# KiCad board RP2040-Breadstick Panel.kicad_pcb (continued)
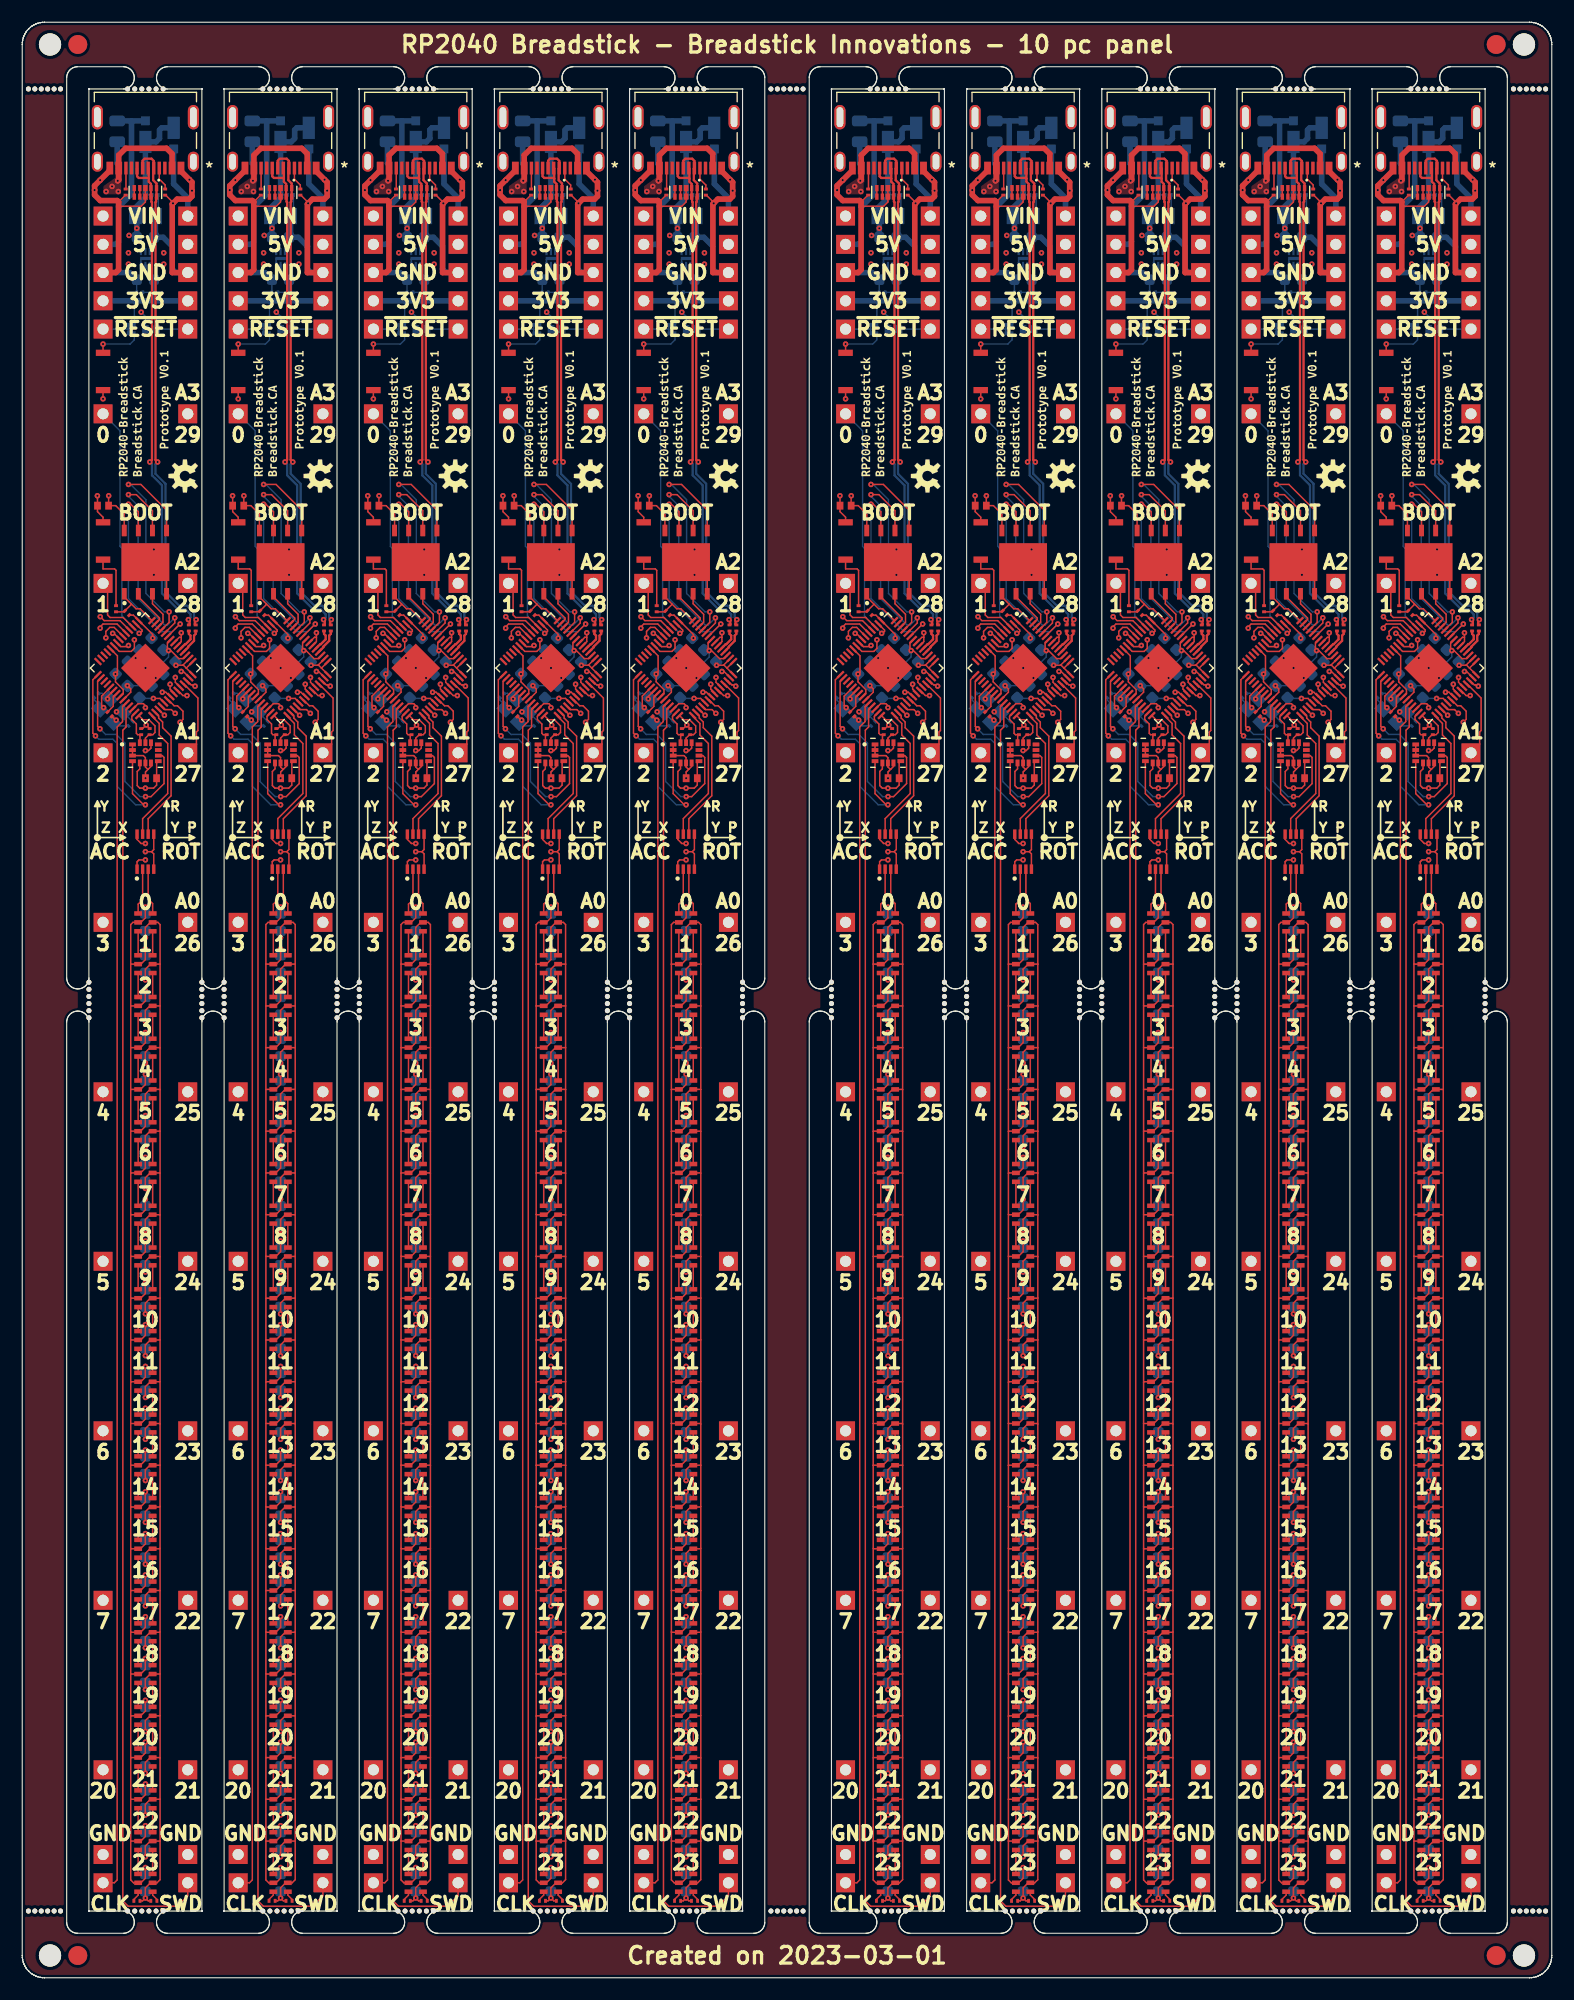
[diagram p0: board, top side]
## Routing (per net, layer and track width the routed paths; a pad name or vN(x,y) marks a point on that pad's centre or on a via; arc(x,y) is an arc through that point) (continued)
  L3_SIG.Cu w0.127: v1(85.97,121.35) 85.95,121.33 85.95,114.94 85.77,114.76 85.77,114.03 87.36,112.44 87.36,108.93 86.23,107.8 J208#9.1
Board_6-/RP2040/D4: length 44.8
  L1_SIG.Cu w0.127: U201#6.6 87.23,121.42 86.84,121.42 86.48,121.06 v1(86.48,120.48)
  L3_SIG.Cu w0.127: J209#7.1 86.23,92.33 87.36,93.46 87.36,108.2 87.82,108.66 87.82,112.5 87.98,112.66 87.98,114.39 86.48,115.89 v1(86.48,120.48)
Board_6-/RP2040/D5: length 59
  L1_SIG.Cu w0.127: v1(87.09,120.88) 87.2,120.88 U201#6.7
  L3_SIG.Cu w0.127: v1(87.09,120.88) 87.09,117.89 86.84,117.63 86.84,116.98 88.35,115.47 88.35,112.25 88.28,112.18 88.28,108.31 87.95,107.98 87.95,92.85 87.37,92.27 87.37,78.22 86.23,77.08 J210#4.1
Board_6-/RP2040/D6: length 73.9
  L1_SIG.Cu w0.127: v1(88.52,119.79) 88.41,119.69 87.83,119.69 U201#6.8
  L3_SIG.Cu w0.127: v1(88.52,119.79) 88.16,119.79 87.88,119.51 87.88,117.72 88.94,116.66 88.94,114.03 88.75,113.84 88.75,112.07 88.69,112.01 88.69,108.08 88.54,107.93 88.54,92.21 88.02,91.69 88.02,63.31 86.23,61.52 J211#5.1
Board_6-/RP2040/D7: length 91.4
  L1_SIG.Cu w0.127: v1(89.05,120.3) 89.05,119.54 88.77,119.26 87.69,119.26 U201#6.9
  L3_SIG.Cu w0.127: v1(89.05,120.3) 89.05,119.33 88.65,118.93 88.65,118.17 89.71,117.11 89.71,114.79 89.37,114.45 89.37,113.42 89.14,113.19 89.14,107.8 89.02,107.68 89.02,91.44 88.78,91.2 88.78,62.09 87.56,60.87 87.56,44.1 86.23,42.77 J212#8.1
Board_6-/RP2040/D20: length 98.8
  L1_SIG.Cu w0.127: v1(91.75,113.52) 91.73,113.52 U201#6.31
  L3_SIG.Cu w0.127: v1(91.75,113.52) 90.23,113.52 89.55,112.84 89.55,61.15 88.81,60.41 88.81,32.49 86.23,29.91 J204#3.1
Board_6-/RP2040/D21: length 99.2
  L1_SIG.Cu w0.127: U201#6.32 91.79,114.03 92.38,114.03 92.71,113.69 v1(92.72,113.69)
  L3_SIG.Cu w0.127: v1(92.72,113.69) 92.52,113.49 92.52,113.17 92.35,113 91.55,113 90.55,112 90.55,61.15 91.3,60.4 91.3,32.39 93.85,29.84 J203#4.1
Board_6-/RP2040/D22: length 84.5
  L1_SIG.Cu w0.127: v1(93.16,112.89) 93.42,113.15 93.42,113.88 92.93,114.37 92.63,114.37 92.09,114.91 U201#6.34
  L3_SIG.Cu w0.127: v1(93.16,112.89) 92.88,112.61 91.81,112.61 91.02,111.82 91.02,107.82 91.1,107.74 91.1,91.48 91.33,91.25 91.33,62.28 92.55,61.06 92.55,44.18 93.79,42.94 93.79,34 J213#3.1
Board_6-/RP2040/D23: length 71.1
  L1_SIG.Cu w0.127: U201#6.35 92.27,115.19 91.87,115.59 v1(91.56,115.59)
  L3_SIG.Cu w0.127: v1(91.56,115.59) 91.88,115.59 93.68,113.79 93.68,112.48 93.44,112.24 92.02,112.24 91.48,111.7 91.48,108.08 91.62,107.94 91.62,92.01 92.07,91.56 92.07,63.31 93.85,61.53 J214#4.1
Board_6-/RP2040/D24: length 56.2
  L1_SIG.Cu w0.127: U201#6.36 92.61,115.52 92.26,115.87 v1(92.26,116.31)
  L3_SIG.Cu w0.127: v1(92.26,116.31) 92.26,115.87 94.05,114.08 94.05,112.19 93.77,111.92 92.22,111.92 91.9,111.6 91.9,108.31 92.16,108.05 92.16,92.71 92.72,92.15 92.72,78.12 93.85,76.99 J215#10.1
Board_6-/RP2040/D25: length 39.4
  L1_SIG.Cu w0.127: v1(93.78,115.29) 93.41,115.29 92.94,115.76 U201#6.37
  L3_SIG.Cu w0.127: v1(93.78,115.29) 94.4,114.67 94.4,111.95 94.08,111.63 92.5,111.63 92.31,111.44 92.31,108.69 92.73,108.27 92.73,93.35 93.85,92.23 J202#3.1
Board_6-/RP2040/MCU_QSPI_CSN: length 5.4
  L1_SIG.Cu w0.127: 88.76,123.54 89.2,123.09 89.56,123.09 U201#6.56 ; 88.76,123.54 88.76,123.47 R205#6.2 88.11,122.82 R204.2 ; 88.76,123.54 88.14,124.16 U203.1
Board_6-/RP2040/MCU_QSPI_SCLK: length 20.6
  L1_SIG.Cu w0.127: v1(92.68,122.28) 92.68,121.82 U201#6.52 ; U203.6 90.67,131.91 89.23,133.36 v1(88.52,133.36)
  L8_SIG.Cu w0.127: v1(92.68,122.28) 92.02,121.62 91.77,121.62 89.38,124.01 89.38,132.34 88.52,133.2 v1(88.52,133.36)
Board_6-/RP2040/MCU_QSPI_SD0: length 21.5
  L1_SIG.Cu w0.127: U203.5 91.95,131.96 89.63,134.27 v1(88.52,134.27) ; v1(92.17,122.81) 92.17,121.87 U201#6.53
  L8_SIG.Cu w0.127: v1(88.52,134.27) 88.72,134.27 90.09,132.9 90.09,124.47 91.74,122.81 v1(92.17,122.81)
Board_6-/RP2040/MCU_QSPI_SD1: length 3.6
  L1_SIG.Cu w0.127: U201#6.55 91.31,122.14 91.31,122.26 89.41,124.16 U203.2
Board_6-/RP2040/MCU_QSPI_SD2: length 3.5
  L1_SIG.Cu w0.127: U203.3 90.67,123.55 91.62,122.6 91.62,121.89 U201#6.54
Board_6-/RP2040/MCU_QSPI_SD3: length 19.1
  L1_SIG.Cu w0.127: v1(88.52,132.49) 88.72,132.49 89.41,131.81 U203.7 ; v1(93.16,121.72) 93.15,121.72 U201#6.51
  L8_SIG.Cu w0.127: v1(93.16,121.72) 92.48,121.04 91.49,121.04 88.52,124.01 v1(88.52,132.49)
Board_6-/RP2040/MCU_USB_D+: length 2.1
  L1_SIG.Cu w0.2: U201#6.47 93.6,119.91 93.66,119.91
  L1_SIG.Cu w0.203: 93.66,119.91 94.1,120.35 94.1,120.68 93.95,120.83 R203#7.1
Board_6-/RP2040/MCU_USB_D-: length 2.3
  L1_SIG.Cu w0.2: U201#6.46 93.89,119.63 93.89,119.68
  L1_SIG.Cu w0.203: 93.89,119.68 94.42,120.21 94.42,120.68 94.56,120.83 R202#2.1
Board_6-/RP2040/USB_D+: length 45.2
  L1_SIG.Cu w0.203: 90.34,161.77 90.28,161.83 89.44,161.83 89.29,161.98 J221#2.B6 ; 90.34,161.77 90.34,162.67 J221#2.A6 ; 90.34,161.77 90.34,161.49 90.54,161.29 U202#4.2 U202#4.9 90.58,160.11 90.58,159.7 90.63,159.64 90.63,136.48 v1(90.44,136.29) ; R203#7.2 94.02,121.71 94.02,122 v1(93.91,122.12)
  L8_SIG.Cu w0.203: v1(93.91,122.12) 94.1,122.31 94.1,122.6 93.64,123.05 92.95,123.05 91.53,124.47 91.53,134.19 90.63,135.09 90.63,136.1 v1(90.44,136.29)
Board_6-/RP2040/USB_D-: length 45.9
  L1_SIG.Cu w0.203: v1(94.61,122.12) 94.49,122 94.49,121.71 R202#2.2 ; J221#2.A7 89.79,163.38 89.97,163.56 90.59,163.56 90.79,163.36 J221#2.B7 90.74,162.67 90.74,161.63 91.04,161.33 U202#4.1 U202#4.10 91,160.11 91,159.7 90.95,159.64 90.95,136.48 v1(91.14,136.29)
  L8_SIG.Cu w0.203: v1(94.61,122.12) 94.42,122.31 94.42,122.73 93.78,123.37 93.09,123.37 91.85,124.61 91.85,134.33 90.95,135.23 90.95,136.1 v1(91.14,136.29)
Board_6-/RP2040/~{RESET}: length 49.9
  L1_SIG.Cu w0.127: U201#6.26 89.39,114.56 89.86,114.56 90.04,114.38 v1(90.04,114.2)
  L3_SIG.Cu w0.127: 89.41,148.24 89.41,121.77 90.09,121.09 90.09,118.52 90.67,117.94 90.67,117.49 90.27,117.09 90.27,114.43 v1(90.04,114.2)
  L3_SIG.Cu w0.5: J201#8.1 J222#9.1
  L8_SIG.Cu w0.127: C207#10.1 J201#8.1 ; 88.5,148.22 88.47,148.24 J222#9.1 ; 88.5,148.22 88.5,147.86 ; 88.5,148.22 88.5,148.62
Board_6-GND: length 241.1
  L1_SIG.Cu w0.127: 90.6,101.25 90.79,101.44 IC301.5 ; 90.6,101.25 v1(90.04,101.25) ; 90.6,101.25 90.79,101.06 IC301.4 ; U202#4.3 U202#4.8 90.04,159.67 89.66,159.29 87.63,159.29 ; 91.36,12.3 91.35,12.29 LED323.2 90.49,12.29 90.04,11.84 v1(90.04,10.88) ; 91.36,12.3 91.36,8.82 91.08,8.54 LED324#7.2 90.49,8.54 90.04,8.08 v1(90.04,7.17) ; 91.36,12.3 91.36,16.06 ; v1(90.04,7.17) 89.79,6.91 89.55,6.91 ; v1(90.04,7.17) 90.29,6.91 R305.2 ; 91.36,38.61 91.36,34.8 ; 91.36,38.61 91.32,38.57 LED316#9.2 90.46,38.57 90.04,38.16 v1(90.04,37.19) ; 91.36,38.61 91.36,42.37 ; 91.36,34.8 91.36,31.1 ; 91.36,34.8 91.35,34.82 LED317#8.2 90.46,34.82 90.04,34.4 v1(90.04,33.43) ; 90.29,108.67 90.24,108.67 90.04,108.87 U401#5.6 90.04,109.71 89.86,109.89 U401#5.3 U401#5.2 U401#5.1 ; 90.29,108.67 90.05,108.42 v1(90.05,107.86) C401#10.2 ; 90.29,108.67 90.54,108.91 U401#5.7 ; 91.36,49.79 91.36,46.08 ; 91.36,49.79 91.36,53.6 ; 91.36,49.79 91.31,49.84 LED313#4.2 90.49,49.84 90.04,49.38 v1(90.04,48.42) ; 91.36,46.08 LED314#2.2 90.45,46.08 90.04,45.67 v1(90.04,44.71) ; 91.36,46.08 91.36,42.37 ; v1(92.52,159.55) 92.52,159.63 91.86,160.28 R207.2 ; 91.36,27.34 91.36,23.58 ; 91.36,27.34 91.36,31.1 ; 91.36,27.34 91.33,27.31 LED319#3.2 90.47,27.31 90.04,26.88 v1(90.04,25.91) ; 91.36,23.58 91.34,23.55 LED320#9.2 90.47,23.55 90.04,23.12 v1(90.04,22.15) ; 91.36,23.58 91.36,19.77 ; U203.4 91.95,127.29 v1(90.8,128.43) ; 91.36,16.06 91.35,16.04 LED322#10.2 90.48,16.04 90.04,15.6 v1(90.04,14.64) ; 91.36,16.06 91.36,19.77 ; v1(90.8,126.14) 90.8,126.52 U203.9 ; v1(90.04,89.72) 90.04,90.68 90.5,91.14 LED302.2 91.36,91.14 ; v1(90.04,78.49) 90.04,79.46 90.46,79.88 LED305#8.2 91.35,79.88 91.36,79.86 ; v1(90.04,59.7) 90.04,60.66 90.48,61.1 LED310#4.2 91.34,61.1 91.36,61.12 ; 91.36,53.6 91.35,53.59 LED312#8.2 90.49,53.59 90.04,53.14 v1(90.04,52.18) ; 91.36,53.6 91.36,57.36 ; 91.36,87.38 91.36,83.62 ; 91.36,87.38 91.36,91.14 ; 91.36,87.38 91.36,87.39 LED303#4.2 90.45,87.39 90.04,86.98 v1(90.04,86.01) ; 91.36,83.62 91.35,83.63 LED304#5.2 90.45,83.63 90.04,83.22 v1(90.04,82.25) ; 91.36,83.62 91.36,79.86 ; 91.36,91.14 91.36,94.7 91.16,94.9 LED301#8.2 90.49,94.9 90.04,94.44 v1(90.04,93.53) ; 91.36,76.1 91.34,76.12 LED306#2.2 90.46,76.12 90.04,75.7 v1(90.04,74.73) ; 91.36,76.1 91.36,79.86 ; 91.36,76.1 91.36,72.34 ; 91.36,64.83 91.36,61.12 ; 91.36,64.83 91.33,64.86 LED309#2.2 90.48,64.86 90.04,64.42 v1(90.04,63.45) ; 91.36,64.83 91.36,68.59 ; 91.36,61.12 91.36,57.36 ; 91.36,68.59 91.33,68.61 LED308#8.2 90.47,68.61 90.04,68.18 v1(90.04,67.21) ; 91.36,68.59 91.36,72.34 ; 91.36,19.77 91.33,19.8 LED321#9.2 90.48,19.8 90.04,19.36 v1(90.04,18.4) ; 91.36,31.1 91.33,31.06 LED318#3.2 90.47,31.06 90.04,30.64 v1(90.04,29.67) ; 91.36,42.37 91.32,42.33 LED315#2.2 90.45,42.33 90.04,41.92 v1(90.04,40.95) ; v1(86.28,114.2) 86.1,114.38 86.1,115.24 U201#6.19 ; v1(90.04,70.97) 90.04,71.94 90.47,72.37 LED307.2 91.34,72.37 91.36,72.34 ; 91.36,57.36 91.35,57.35 LED311#9.2 90.49,57.35 90.04,56.9 v1(90.04,55.94) ; R206.2 88.24,160.28 87.64,159.68 87.61,159.68 ; v1(85.72,133.25) 85.73,133.25 C216#3.2 85.73,131.82 86.23,131.32 SW201#2.1 ; SW202.1 v1(86.23,141.97)
  L1_SIG.Cu w0.5: J221#2.A1/B12 93.24,162.44 v1(94,161.68) 94.23,161.45 v1(94.23,160.69) 94.23,160.18 93.98,159.92 92.9,159.92 v1(92.52,159.55) 92.45,159.48 92.45,153.32 J506.1 ; J505.1 87.37,153.32 87.63,153.57 87.63,159.67 87.5,159.8 85.98,159.8 85.47,160.31 v1(85.47,160.74) 85.47,161.13 v1(85.97,161.63) 86.84,162.5 J221#2.B1/A12
  L3_SIG.Cu w0.5: J505.1 J506.1
  L8_SIG.Cu w0.127: v1(90.04,82.25) C306#6.2 ; v1(90.04,22.15) C322#8.2 ; v1(90.04,40.95) C317#10.2 ; U501#4.7 89.71,154.59 89.64,154.52 U501#4.3 ; v1(89.66,149.76) 90.05,149.38 C207#10.2 ; C309#8.2 90.04,71.58 v1(90.04,70.97) ; v1(90.04,86.01) C305.2 ; v1(90.04,18.4) C323#7.2 ; C201#3.2 85.45,114.88 85.93,114.41 ; v1(90.04,93.53) 90.04,94.13 ; C501#5.2 91.2,158.66 R501#7.1 ; v1(90.04,10.88) C325#2.2 ; v1(90.04,67.21) C310#10.2 ; v1(90.04,89.72) C304#4.2 ; v1(90.04,52.18) C314#2.2 ; v1(90.04,78.49) C307#6.2 ; C203#8.2 88.88,112.95 88.05,113.78 Y201#6.2 ; R502#10.1 89.26,152.68 C503#10.2 ; v1(90.04,74.73) 90.04,75.34 C308.2 ; v1(90.04,14.64) C324.2 ; v1(90.04,63.45) C311#4.2 ; v1(90.04,44.71) C316#7.2 ; v1(90.04,29.67) C320#10.2 ; v1(90.04,55.94) C313#4.2 ; v1(90.04,33.43) C319#2.2 ; v1(90.04,37.19) C318#4.2 ; v1(90.04,7.17) C326#10.2 ; v1(90.04,59.7) C312.2 ; v1(90.04,48.42) C315#6.2 ; v1(90.04,25.91) C321#2.2
  L8_SIG.Cu w0.203: C503#10.2 89.64,153.06 U501#4.3
  L8_SIG.Cu w0.5: C503#10.2 89.25,152.69 88.62,153.32 J505.1 ; C501#5.2 90.94,156.62 C502.2 91.64,156.5 92.45,155.68 92.45,153.62 92.76,153.32 J506.1
  vias: v1(87.44,113.83) v1(89.16,118.66) v1(90.05,117.77) v1(90.97,116.87)
Board_6-IMU_INT1: length 19.6
  L1_SIG.Cu w0.127: v1(90.04,105.47) 89.88,105.47 88.88,106.47 U401#5.4 ; v1(85.55,111.66) 85.31,111.9 85.31,116.71 U201#6.15
  L8_SIG.Cu w0.127: v1(85.55,111.66) 85.85,111.36 87.12,111.36 87.52,110.96 87.52,107.11 89.16,105.47 v1(90.04,105.47)
Board_6-IMU_INT2: length 18.5
  L1_SIG.Cu w0.127: U401#5.9 91.55,109.89 91.72,109.72 91.72,107.37 90.55,106.2 v1(90.05,106.2) ; U201#6.16 85.74,116.57 85.74,112.51 v1(85.95,112.3)
  L8_SIG.Cu w0.127: v1(90.05,106.2) 89.56,106.2 88.2,107.56 88.2,111.01 87.42,111.79 86.46,111.79 v1(85.95,112.3)
Board_6-IMU_SCL: length 3.9
  L1_SIG.Cu w0.127: U201#6.28 89.82,113.12 90.35,113.12 90.9,112.56 90.9,111.97 90.7,111.77 R210#2.1 90.35,111.77 90.04,111.46 U401#5.13
Board_6-IMU_SDA: length 3.4
  L1_SIG.Cu w0.127: U201#6.27 88.82,113.43 88.82,113.14 89.23,112.73 89.23,111.89 89.35,111.77 R209#4.1 89.55,111.66 89.55,111.06 U401#5.14
Board_6-LED_CLK: length 12.2
  L1_SIG.Cu w0.127: IC301.7 89.79,104.23 92.05,106.48 92.05,110.98 91.28,111.74 91.28,112.78 90.63,113.44 U201#6.29
Board_6-LED_DATA: length 12.4
  L1_SIG.Cu w0.127: IC301.6 90.29,104.22 92.35,106.28 92.35,111.64 91.59,112.4 91.59,112.91 91.23,113.26 91.23,113.45 U201#6.30
Board_6-Net-(C201-Pad1): length 2
  L1_SIG.Cu w0.127: U201#6.20 86.64,115.2 v1(86.64,114.99)
  L8_SIG.Cu w0.127: v1(86.64,114.99) 86.14,115.49 C201#3.1
Board_6-Net-(C203-Pad1): length 2.1
  L1_SIG.Cu w0.127: R201#6.1 87.35,113.08 v1(87.41,113.08)
  L8_SIG.Cu w0.127: C203#8.1 87.41,112.56 Y201#6.3
Board_6-Net-(J221-PadA5): length 2.1
  L1_SIG.Cu w0.127: R207.1 91.82,161.19 91.29,161.72 J221#2.A5
Board_6-Net-(J221-PadB5): length 1.9
  L1_SIG.Cu w0.127: J221#2.B5 88.29,160.86 R206.1
Board_6-Net-(LED301-Pad1): length 2.2
  L1_SIG.Cu w0.127: LED301#8.1 LED302.3
Board_6-Net-(LED301-Pad6): length 2.2
  L1_SIG.Cu w0.127: LED301#8.6 LED302.4
Board_6-Net-(LED302-Pad1): length 2.2
  L1_SIG.Cu w0.127: LED302.1 LED303#4.3
Board_6-Net-(LED302-Pad6): length 2.2
  L1_SIG.Cu w0.127: LED302.6 LED303#4.4
Board_6-Net-(LED303-Pad1): length 2.2
  L1_SIG.Cu w0.127: LED303#4.1 LED304#5.3
Board_6-Net-(LED303-Pad6): length 2.2
  L1_SIG.Cu w0.127: LED303#4.6 LED304#5.4
Board_6-Net-(LED304-Pad1): length 2.2
  L1_SIG.Cu w0.127: LED304#5.1 LED305#8.3
Board_6-Net-(LED304-Pad6): length 2.2
  L1_SIG.Cu w0.127: LED304#5.6 LED305#8.4
Board_6-Net-(LED305-Pad1): length 2.2
  L1_SIG.Cu w0.127: LED305#8.1 LED306#2.3
Board_6-Net-(LED305-Pad6): length 2.2
  L1_SIG.Cu w0.127: LED305#8.6 LED306#2.4
Board_6-Net-(LED306-Pad1): length 2.2
  L1_SIG.Cu w0.127: LED306#2.1 LED307.3
Board_6-Net-(LED306-Pad6): length 2.2
  L1_SIG.Cu w0.127: LED306#2.6 LED307.4
Board_6-Net-(LED307-Pad1): length 2.2
  L1_SIG.Cu w0.127: LED307.1 LED308#8.3
Board_6-Net-(LED307-Pad6): length 2.2
  L1_SIG.Cu w0.127: LED307.6 LED308#8.4
Board_6-Net-(LED308-Pad1): length 2.2
  L1_SIG.Cu w0.127: LED308#8.1 LED309#2.3
Board_6-Net-(LED308-Pad6): length 2.2
  L1_SIG.Cu w0.127: LED308#8.6 LED309#2.4
Board_6-Net-(LED309-Pad1): length 2.2
  L1_SIG.Cu w0.127: LED309#2.1 LED310#4.3
Board_6-Net-(LED309-Pad6): length 2.2
  L1_SIG.Cu w0.127: LED309#2.6 LED310#4.4
Board_6-Net-(LED310-Pad1): length 2.2
  L1_SIG.Cu w0.127: LED310#4.1 LED311#9.3
Board_6-Net-(LED310-Pad6): length 2.2
  L1_SIG.Cu w0.127: LED310#4.6 LED311#9.4
Board_6-Net-(LED311-Pad1): length 2.2
  L1_SIG.Cu w0.127: LED311#9.1 LED312#8.3
Board_6-Net-(LED311-Pad6): length 2.2
  L1_SIG.Cu w0.127: LED311#9.6 LED312#8.4
Board_6-Net-(LED312-Pad1): length 2.2
  L1_SIG.Cu w0.127: LED312#8.1 LED313#4.3
Board_6-Net-(LED312-Pad6): length 2.2
  L1_SIG.Cu w0.127: LED312#8.6 LED313#4.4
Board_6-Net-(LED313-Pad1): length 2.2
  L1_SIG.Cu w0.127: LED313#4.1 LED314#2.3
Board_6-Net-(LED313-Pad6): length 2.2
  L1_SIG.Cu w0.127: LED313#4.6 LED314#2.4
Board_6-Net-(LED314-Pad1): length 2.2
  L1_SIG.Cu w0.127: LED314#2.1 LED315#2.3
Board_6-Net-(LED314-Pad6): length 2.2
  L1_SIG.Cu w0.127: LED314#2.6 LED315#2.4
Board_6-Net-(LED315-Pad1): length 2.2
  L1_SIG.Cu w0.127: LED315#2.1 LED316#9.3
Board_6-Net-(LED315-Pad6): length 2.2
  L1_SIG.Cu w0.127: LED315#2.6 LED316#9.4
Board_6-Net-(LED316-Pad1): length 2.2
  L1_SIG.Cu w0.127: LED316#9.1 LED317#8.3
Board_6-Net-(LED316-Pad6): length 2.2
  L1_SIG.Cu w0.127: LED316#9.6 LED317#8.4
Board_6-Net-(LED317-Pad1): length 2.2
  L1_SIG.Cu w0.127: LED317#8.1 LED318#3.3
Board_6-Net-(LED317-Pad6): length 2.2
  L1_SIG.Cu w0.127: LED317#8.6 LED318#3.4
Board_6-Net-(LED318-Pad1): length 2.2
  L1_SIG.Cu w0.127: LED318#3.1 LED319#3.3
Board_6-Net-(LED318-Pad6): length 2.2
  L1_SIG.Cu w0.127: LED318#3.6 LED319#3.4
Board_6-Net-(LED319-Pad1): length 2.2
  L1_SIG.Cu w0.127: LED319#3.1 LED320#9.3
Board_6-Net-(LED319-Pad6): length 2.2
  L1_SIG.Cu w0.127: LED319#3.6 LED320#9.4
Board_6-Net-(LED320-Pad1): length 2.2
  L1_SIG.Cu w0.127: LED320#9.1 LED321#9.3
Board_6-Net-(LED320-Pad6): length 2.2
  L1_SIG.Cu w0.127: LED320#9.6 LED321#9.4
Board_6-Net-(LED321-Pad1): length 2.2
  L1_SIG.Cu w0.127: LED321#9.1 LED322#10.3
Board_6-Net-(LED321-Pad6): length 2.2
  L1_SIG.Cu w0.127: LED321#9.6 LED322#10.4
Board_6-Net-(LED322-Pad1): length 2.2
  L1_SIG.Cu w0.127: LED322#10.1 LED323.3
Board_6-Net-(LED322-Pad6): length 2.2
  L1_SIG.Cu w0.127: LED322#10.6 LED323.4
Board_6-Net-(LED323-Pad1): length 2.2
  L1_SIG.Cu w0.127: LED323.1 LED324#7.3
Board_6-Net-(LED323-Pad6): length 2.2
  L1_SIG.Cu w0.127: LED323.6 LED324#7.4
Board_6-Net-(LED324-Pad1): length 1
  L1_SIG.Cu w0.127: 91.08,6.91 91.08,7.05 90.69,7.43 LED324#7.1
Board_6-Net-(LED324-Pad6): length 1
  L1_SIG.Cu w0.127: LED324#7.6 89.39,7.43 89,7.05 R304#7.1
Board_6-Net-(R201-Pad2): length 2
  L1_SIG.Cu w0.127: U201#6.21 87.14,115.15 87.14,114.32 R201#6.2
Board_6-Net-(R204-Pad1): length 5.2
  L1_SIG.Cu w0.127: R204.1 87.4,126.55 87.27,126.68 86.23,126.68 SW201#2.2
Board_6-Net-(R211-Pad1): length 4.3
  L1_SIG.Cu w0.127: SW202.2 v1(86.23,146.89)
  L8_SIG.Cu w0.127: R211#8.1 89.05,147.27 88.67,146.89 v1(86.23,146.89)
Board_6-Net-(U202-Pad4): length 0.8
  L1_SIG.Cu w0.127: U202#4.4 U202#4.7
Board_6-Net-(U202-Pad5): length 0.8
  L1_SIG.Cu w0.127: U202#4.5 U202#4.6
Board_6-SWCLK: length 107.5
  L1_SIG.Cu w0.127: U201#6.24 87.98,114.29 87.98,112.95 87.5,112.46 87.5,8.79 87.25,8.54 J223#9.1
Board_6-SWD: length 115.3
  L1_SIG.Cu w0.127: J224#7.1 93.85,7.37 92.91,6.43 88.49,6.43 88.01,6.91 88.01,112.17 88.3,112.46 88.3,114.04 U201#6.25
Board_6-VBUS: length 12.5
  L1_SIG.Cu w0.5: J221#2.A4/B9 92.44,164 91.95,164.5 88.26,164.5 87.64,163.87 J221#2.B4/A9 87.64,161.66 v1(87.55,161.58)
  L8_SIG.Cu w0.5: v1(87.55,161.58) 87.63,161.65 87.63,163 87.5,163.12 F501#4.1
  vias: v1(86.51,160.61) v1(87.04,161.07) v1(87.6,160.61)
Board_6-VHI: length 174.3
  L1_SIG.Cu w0.127: 88.72,23.53 88.75,23.55 LED320#9.5 89.61,23.55 90.04,23.98 v1(90.04,24.95) ; 88.72,23.53 88.72,27.34 ; 88.72,23.53 88.72,19.77 ; v1(90.04,39.93) 90.04,39.02 89.59,38.57 LED316#9.5 88.76,38.57 88.72,38.61 ; v1(90.04,84.99) 90.04,84.08 89.59,83.63 LED304#5.5 88.73,83.63 88.72,83.62 ; 88.72,79.86 88.73,79.88 LED305#8.5 89.6,79.88 90.04,80.32 v1(90.04,81.23) ; 88.72,79.86 88.72,83.62 ; 88.72,79.86 88.72,76.1 ; 88.72,31.1 88.72,27.34 ; 88.72,31.1 88.75,31.06 LED318#3.5 89.6,31.06 90.04,31.5 v1(90.04,32.47) ; 88.72,31.1 88.72,34.8 ; 88.72,27.34 88.75,27.31 LED319#3.5 89.61,27.31 90.04,27.74 v1(90.04,28.71) ; v1(90.04,43.69) 90.04,42.78 89.59,42.33 LED315#2.5 88.76,42.33 88.72,42.37 ; 88.72,19.77 88.72,16.06 ; 88.72,19.77 88.75,19.8 LED321#9.5 89.62,19.8 90.04,20.22 v1(90.04,21.19) ; 88.72,16.06 88.73,16.04 LED322#10.5 89.62,16.04 90.04,16.46 v1(90.04,17.43) ; 88.72,16.06 88.72,12.3 ; 88.72,38.61 88.72,42.37 ; 88.72,38.61 88.72,34.8 ; 88.72,83.62 88.72,87.38 ; v1(90.04,62.49) 90.04,61.52 89.62,61.1 LED310#4.5 88.75,61.1 88.72,61.07 ; 88.72,91.14 88.72,87.38 ; 88.72,91.14 88.72,94.7 88.92,94.9 LED301#8.5 89.63,94.9 90.04,95.31 v1(90.04,96.27) ; 88.72,91.14 LED302.5 89.63,91.14 90.04,91.55 v1(90.04,92.51) ; 88.72,87.38 88.72,87.39 LED303#4.5 89.59,87.39 90.04,87.84 v1(90.04,88.75) ; 88.72,61.07 88.72,57.36 ; 88.72,61.07 88.72,64.88 ; 88.72,57.36 88.72,53.55 ; 88.72,57.36 88.73,57.35 LED311#9.5 89.62,57.35 90.04,57.77 v1(90.04,58.73) ; 88.72,68.64 88.74,68.61 LED308#8.5 89.61,68.61 90.04,69.04 v1(90.04,70.01) ; 88.72,68.64 88.72,72.34 ; 88.72,68.64 88.72,64.88 ; 88.72,12.3 88.72,8.79 88.98,8.54 LED324#7.5 89.63,8.54 90.04,8.95 v1(90.04,9.91) ; 88.72,12.3 88.73,12.29 LED323.5 89.62,12.29 90.04,12.71 v1(90.04,13.67) ; v1(90.04,100.51) 89.46,100.51 89.29,100.35 IC301.1 ; 88.72,53.55 88.76,53.59 LED312#8.5 89.63,53.59 90.04,54.01 v1(90.04,54.97) ; 88.72,53.55 88.72,49.84 ; 88.72,42.37 88.72,46.08 ; v1(90.04,66.25) 90.04,65.28 89.61,64.86 LED309#2.5 88.74,64.86 88.72,64.88 ; 88.72,46.08 LED314#2.5 89.58,46.08 90.04,46.54 v1(90.04,47.45) ; 88.72,46.08 88.72,49.84 ; v1(90.04,73.77) 90.04,72.8 89.6,72.37 LED307.5 88.74,72.37 88.72,72.34 ; 88.72,72.34 88.72,76.1 ; v1(90.04,77.53) 90.04,76.56 89.6,76.12 LED306#2.5 88.74,76.12 88.72,76.1 ; 88.72,49.84 88.72,49.84 LED313#4.5 89.63,49.84 90.04,50.25 v1(90.04,51.21) ; 88.72,34.8 88.73,34.82 LED317#8.5 89.6,34.82 90.04,35.26 v1(90.04,36.23)
  L8_SIG.Cu w0.127: v1(90.04,28.71) C321#2.1 ; v1(90.04,77.53) 90.04,76.92 C308.1 ; v1(90.04,88.75) C305.1 ; v1(90.04,54.97) C314#2.1 ; v1(90.04,9.91) C326#10.1 ; v1(90.04,70.01) C310#10.1 ; C309#8.1 90.04,73.16 v1(90.04,73.77) ; v1(90.04,32.47) C320#10.1 ; v1(90.04,62.49) C312.1 ; v1(90.04,58.73) C313#4.1 ; v1(90.04,96.27) C303#9.1 ; v1(90.04,84.99) C306#6.1 ; v1(90.04,17.43) C324.1 ; v1(90.04,21.19) C323#7.1 ; v1(90.04,51.21) C315#6.1 ; R501#7.2 90.17,160.31 90.04,160.43 ; v1(90.04,13.67) C325#2.1 ; v1(90.04,66.25) C311#4.1 ; v1(90.04,36.23) C319#2.1 ; v1(90.04,47.45) C316#7.1 ; v1(90.04,81.23) C307#6.1 ; v1(90.04,39.93) C318#4.1 ; v1(90.04,92.51) C304#4.1 ; v1(90.04,24.95) C322#8.1 ; v1(90.04,43.69) C317#10.1
  L8_SIG.Cu w0.5: D501#3.1 91.5,166.34 91.31,166.15 91.31,165.39 91,165.07 D502.1 90.04,160.05 89.14,159.15 C501#5.1 89.27,158.28 v1(89.27,157.31) C502.1
  vias: v1(88.52,155.1) v1(88.52,154.08) v1(88.57,156.66) v1(91.69,155.1) v1(91.69,154.08)
Board_6-VIN: length 14.2
  L3_SIG.Cu w0.5: J502#8.1 J501#8.1
  L8_SIG.Cu w0.5: J501#8.1 93.85,160.03 92.58,161.3 D501#3.2
Board_7-3V3_LDO: length 53.3
  L1_SIG.Cu w0.127: U401#10.8 103.21,109.24 C401#3.1 103.21,107.24 102.94,106.97 v1(102.2,106.97) 101.69,106.97 101.46,107.19 101.46,108.46 101.7,108.7 U401#10.5 ; 105.43,120.53 105.25,120.53 U201#5.49 ; 105.43,120.53 105.43,120.14 U201#5.48 ; 105.43,120.53 v1(105.43,120.94) ; U401#10.12 102.7,110.56 102.48,110.34 v1(102.2,110.34) ; R205#4.1 101.12,122.52 U201#5.1 102.86,120.78 v1(102.86,120.45) ; 105.88,117.76 105.62,118.01 105.57,118.01 ; 105.88,117.76 105.88,117.76 U201#5.43 ; 105.88,117.76 U201#5.42 ; U203#6.8 100.3,131.6 99.53,132.37 C216#8.1 98.89,133.25 v1(98.9,133.25) ; U201#5.10 99.69,118.86 99.69,117.4 v1(99.51,117.23) 99.51,116.52 100.21,115.82 100.21,115.49 U201#5.22 ; R210#10.2 102.58,112.33 v1(102.27,112.64) 101.95,112.32 R209#8.2 ; v1(102.2,101.99) 101.82,101.99 101.45,102.36 IC301#4.8 ; v1(102.92,115.03) 103.52,115.03 U201#5.33 ; 105.57,118.01 U201#5.44 ; 105.57,118.01 v1(104.94,118.01)
  L3_SIG.Cu w0.5: J508#8.1 J507#2.1
  L8_SIG.Cu w0.127: v1(99.51,117.23) 99.52,117.24 C210.1 ; v1(102.92,115.03) 101.72,115.03 C206#2.1 ; 101.18,150.78 101.2,150.76 101.2,148.62 ; C211#6.1 104.94,118.28 v1(104.94,118.01) ; R502#6.2 102.96,151.54
  L8_SIG.Cu w0.15: 102.6,153.33 102.98,152.95 C503#9.1
  L8_SIG.Cu w0.203: U501#10.2 102.2,153.47 102.35,153.33 102.6,153.33 U501#10.1
  L8_SIG.Cu w0.5: 102.86,150.78 J507#2.1 ; 102.86,150.78 J508#8.1 ; 102.86,150.78 102.99,150.91 102.99,152.67
Board_7-+1V1: length 10.2
  L1_SIG.Cu w0.127: U201#5.23 100.88,115.59 100.88,115.88 v1(100.58,116.18) ; U201#5.45 105.6,118.61 105.21,118.61 104.49,119.33 v1(104.28,119.33) 104.18,119.44 104.18,120.02 U201#5.50
  L8_SIG.Cu w0.127: v1(104.28,119.33) 104.28,118.76 101.7,116.18 v1(100.58,116.18)
Board_7-/Addressable RGB LEDs/CLK: length 4.1
  L1_SIG.Cu w0.127: IC301#4.2 101.95,96.94 101.55,96.54 LED301#6.4
Board_7-/Addressable RGB LEDs/DATA: length 4.1
  L1_SIG.Cu w0.127: IC301#4.3 102.45,96.99 102.85,96.59 LED301#6.3
Board_7-/RP2040/ADC0: length 26.2
  L1_SIG.Cu w0.127: U201#5.38 104.89,116.48 v1(104.89,116.92)
  L3_SIG.Cu w0.127: J220#8.1 106.01,107.85 104.89,108.97 104.89,111.27 106.48,111.27 106.92,111.71 106.92,115.02 105.02,116.92 v1(104.89,116.92)
Board_7-/RP2040/ADC1: length 7.1
  L1_SIG.Cu w0.127: J219#7.1 106.79,110.92 106.79,112.01 106.92,112.15 106.92,115.07 105.67,116.32 U201#5.39
Board_7-/RP2040/ADC2: length 12.9
  L1_SIG.Cu w0.127: U201#5.40 105.96,116.6 106.31,116.25 106.42,116.25 106.54,116.13 v1(106.67,116.13)
  L3_SIG.Cu w0.127: v1(106.67,116.13) 106.67,118.91 103.8,121.78 103.8,124.11 105.07,125.38 J218#2.1
Board_7-/RP2040/ADC3: length 26.9
  L1_SIG.Cu w0.127: U201#5.41 105.62,117.46 v1(105.43,117.46)
  L3_SIG.Cu w0.127: v1(105.43,117.46) 105.78,117.81 105.78,118.62 102.78,121.62 102.78,124.45 104.31,125.98 104.31,128.07 106.01,129.77 J217#5.1
Board_7-/RP2040/D0: length 22.3
  L1_SIG.Cu w0.127: v1(101.64,120.88) 101.72,120.88 101.9,121.06 101.9,121.18 U201#5.2
  L8_SIG.Cu w0.127: v1(101.64,120.88) 100.09,122.43 100.09,128.53 99.91,128.71 99.91,139.1 J205#10.1
Board_7-/RP2040/D1: length 5.7
  L1_SIG.Cu w0.127: J206#2.1 98.8,124.97 98.8,122.54 99.03,122.31 100.2,122.31 U201#5.3
Board_7-/RP2040/D2: length 16.5
  L1_SIG.Cu w0.127: U201#5.4 99.91,122.03 98.49,122.03 v1(98.14,122.38)
  L3_SIG.Cu w0.127: v1(98.14,122.38) 97.5,121.74 97.5,113.26 97.83,112.93 98.26,112.93 98.66,112.53 98.66,111.43 98.39,111.16 J207#9.1
Board_7-/RP2040/D3: length 30.6
  L1_SIG.Cu w0.127: v1(98.13,121.35) 98.13,121.46 98.39,121.72 99.65,121.72 U201#5.5
  L3_SIG.Cu w0.127: v1(98.13,121.35) 98.11,121.33 98.11,114.94 97.93,114.76 97.93,114.03 99.52,112.44 99.52,108.93 98.39,107.8 J208#4.1
Board_7-/RP2040/D4: length 44.8
  L1_SIG.Cu w0.127: U201#5.6 99.39,121.42 99,121.42 98.64,121.06 v1(98.64,120.48)
  L3_SIG.Cu w0.127: J209#5.1 98.39,92.33 99.52,93.46 99.52,108.2 99.98,108.66 99.98,112.5 100.14,112.66 100.14,114.39 98.64,115.89 v1(98.64,120.48)
Board_7-/RP2040/D5: length 59
  L1_SIG.Cu w0.127: v1(99.25,120.88) 99.36,120.88 U201#5.7
  L3_SIG.Cu w0.127: v1(99.25,120.88) 99.25,117.89 99,117.63 99,116.98 100.51,115.47 100.51,112.25 100.44,112.18 100.44,108.31 100.11,107.98 100.11,92.85 99.53,92.27 99.53,78.22 98.39,77.08 J210#6.1
